# Altium PCB mib-pcb0009.PcbDoc (part 2 of 2) (continued)
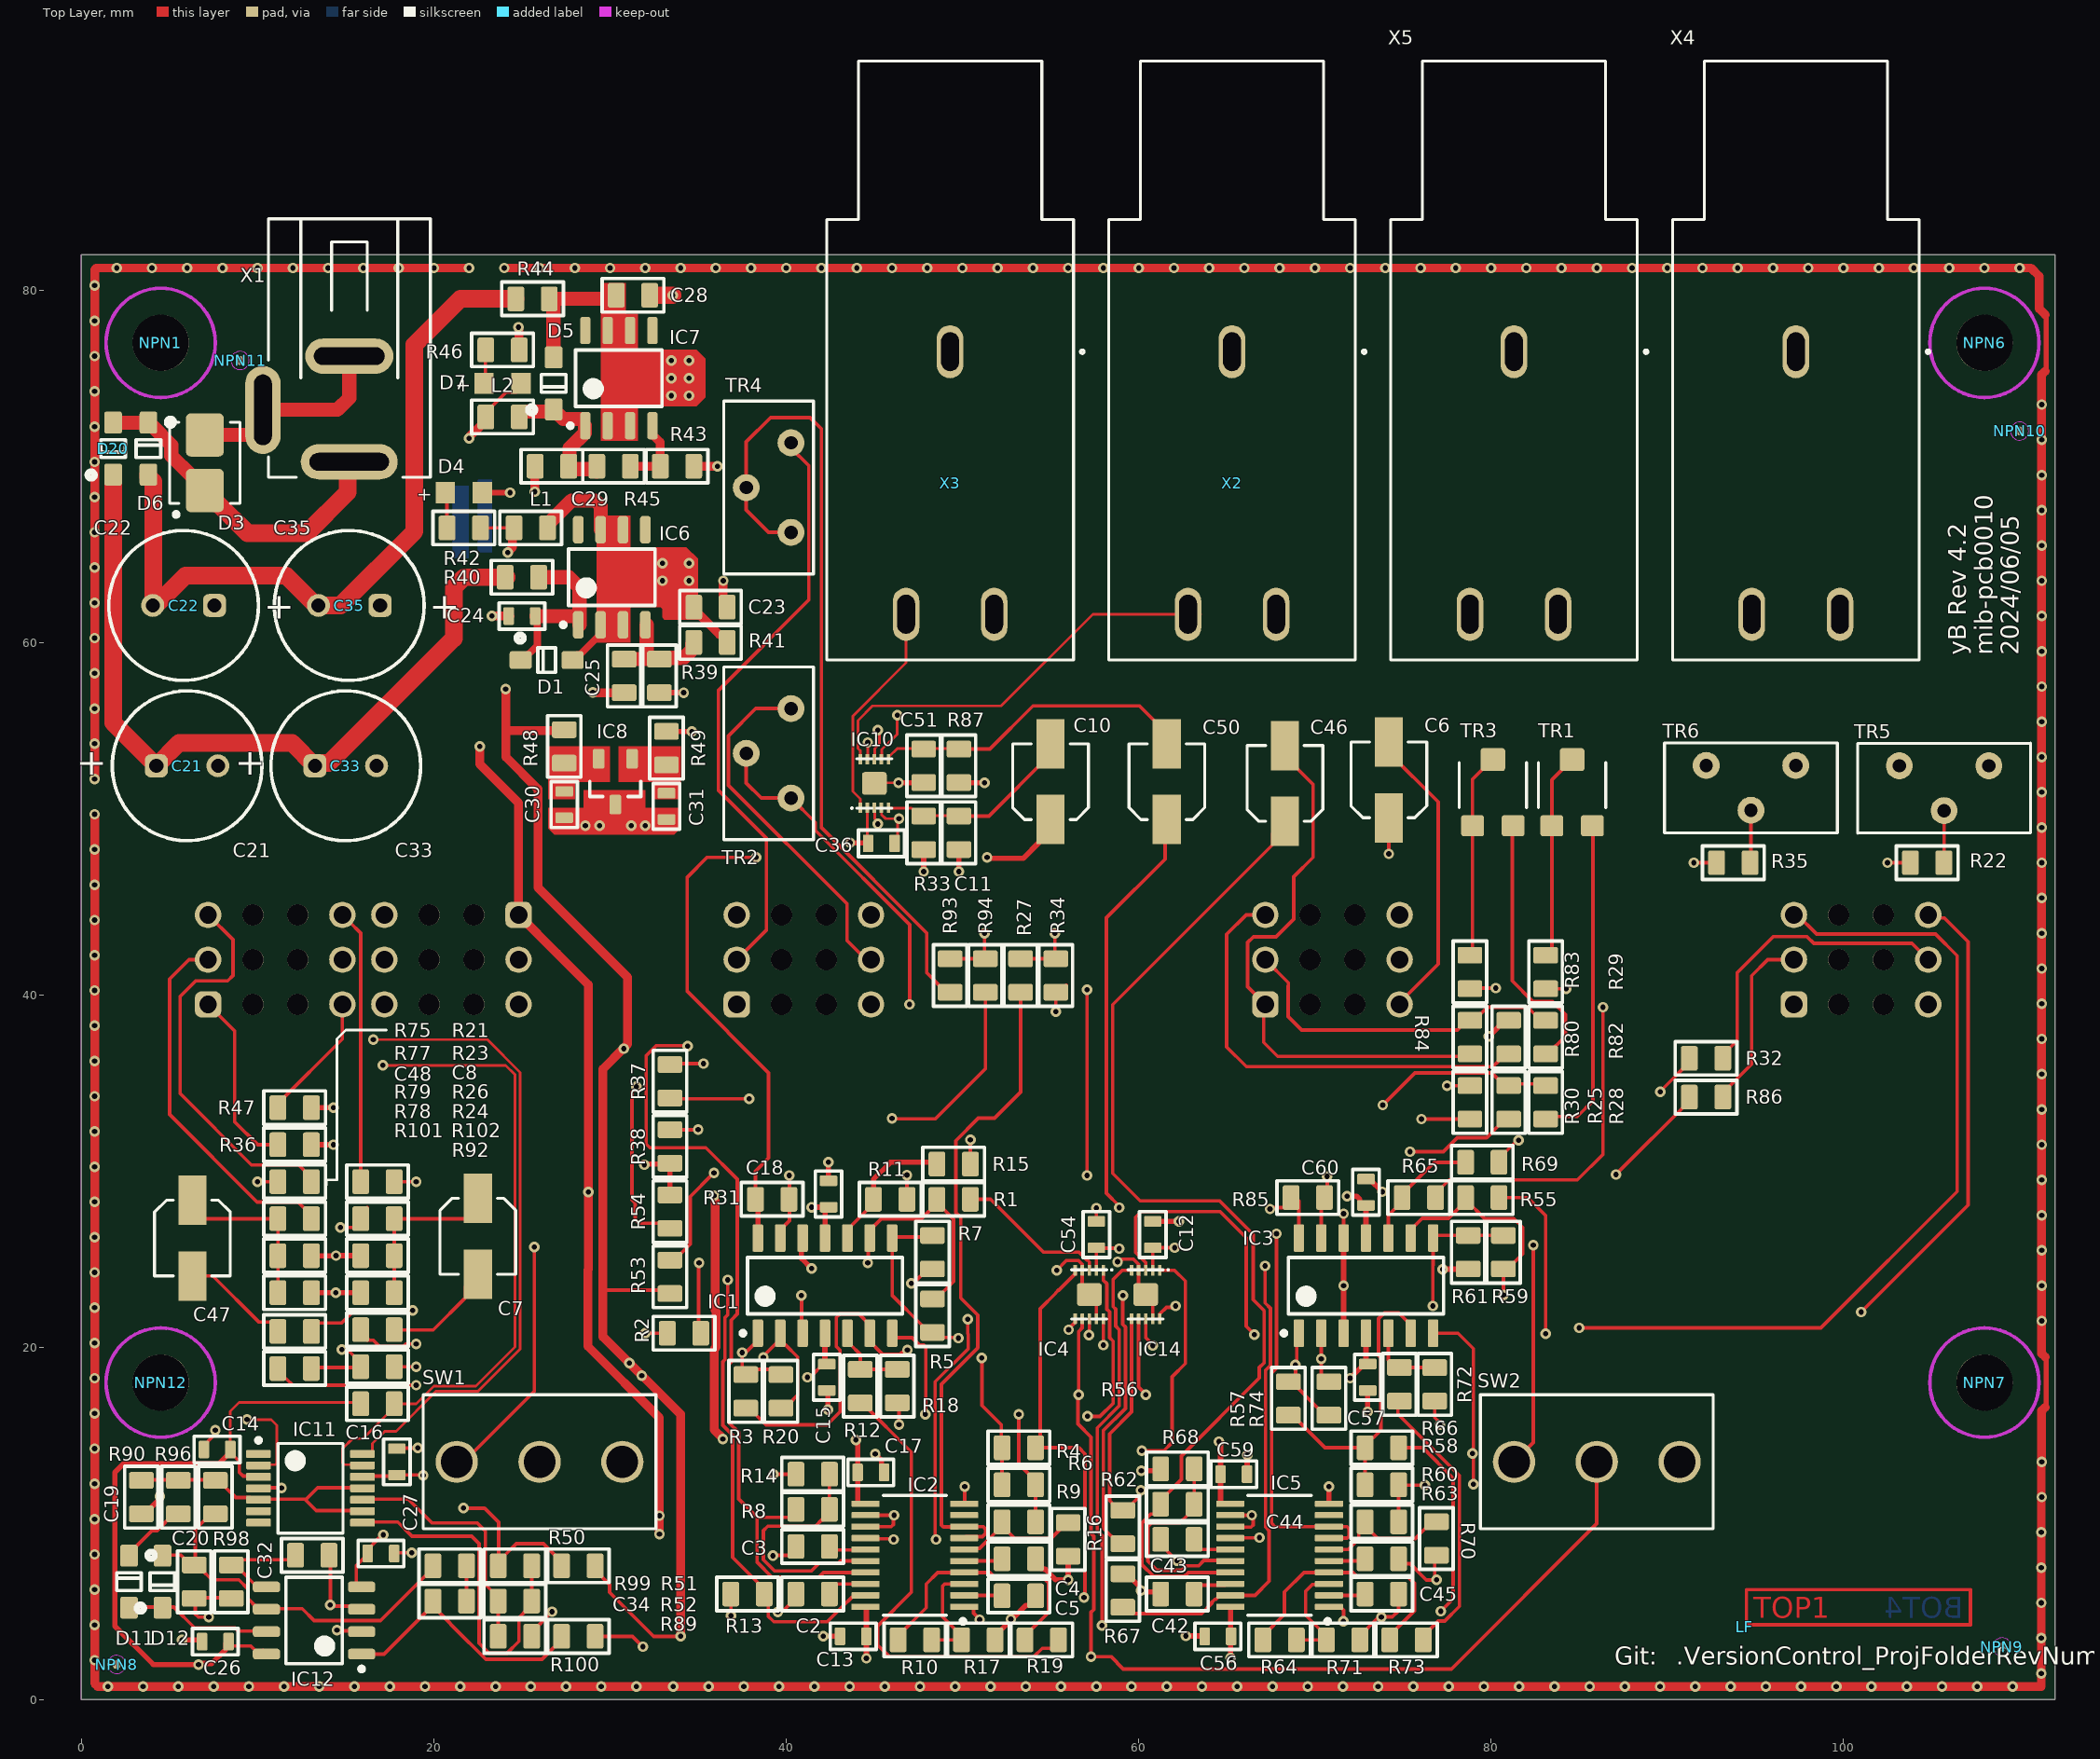
[diagram p0: Top Layer view]
## Nets (pads, with @x,y where several pads share a name; then routed paths per layer and width w, separated by ;. In a path a pad name is that pad's centre, name@x,y a point inside that pad or via, vN(x,y) a via of type N, cw(c..) or ccw(c..) an arc to the next point about the centre after c; other vN are vias at no path point) (continued)
  PWR w0.2: v1(70.7,29.7) v1@70.75,29.65
  Signal_2 w0.2: v1@70.75,29.65 70.853,29.753 87.033,29.753 v1(87.086,29.805)
NetIC4_7: IC4.7 IC14.7 SW2.2 | length 63.9
  Top Layer w0.2: IC4.7@56.8,21.625 56.8,21.103 56.6,20.903 v1(56.6,17.3) 56.55,17.25 56.55,15.65 57.3,14.9 57.3,9.435 57.45,9.285 57.45,5.118 57.3,4.968 v1(57.3,2.45) 58.428,2.45 59.128,1.75 77.75,1.75 86,10 SW2.2@86,13.5 ; IC14.7@60,21.625 60,17.749 60.4,17.349 v1(60.4,17.3)
  Signal_2 w0.2: v1(56.6,17.3) v1(60.4,17.3)
NetIC5_3: IC5.3 R64.2 R71.2 | length 6
  Top Layer w0.2: R64.2@68.9,3.3 69,3.4 R71.2@70.65,3.4 ; R71.2@70.4,3.8 70.4,3.875 69.475,4.8 69.475,6.159 69.859,6.543 70.768,6.543 IC5.3@70.8,6.575
NetIC5_6: IC5.6 R63.2 R70.2 | length 7.1
  Top Layer w0.2: IC5.6@70.8,8.525 71.9,8.525 72.487,9.112 72.487,9.587 R63.2@72.7,9.8 ; R63.2@73.125,9.6 73.575,9.15 75.7,9.15 76.275,9.725 76.29,9.725 76.665,10.1 R70.2@76.9,10.1
NetIC5_16: IC5.16 R62.2 R68.2 | length 11.9
  Top Layer w0.2: R68.2@63.2,12.6 63.15,12.55 R62.2@63.15,11.1 62.787,10.737 62.787,10.482 62.355,10.05 60.741,10.05 60.525,9.834 60.525,7.866 61.041,7.35 62.446,7.35 62.696,7.6 63.4,7.6 63.7,7.9 65.175,7.9 IC5.16@65.2,7.875
NetIC5_19: IC5.19 R61.2 R67.2 | length 39.2
  Top Layer w0.2: R67.2@59.1,5.25 59.455,4.895 63.578,4.895 64.15,5.467 64.15,5.528 64.322,5.7 64.383,5.7 64.5,5.817 64.5,5.85 64.575,5.925 66.6,5.925 67.405,6.73 67.405,9.592 67.2,9.797 67.2,18.704 67.475,18.979 67.475,22.22 67.175,22.52 v1(67.175,24.625)
  Top Layer w0.3: v1(77.25,24.425) 77.263,24.438 78.688,24.438 R61.2@78.7,24.45
  Signal_2 w0.2: v1(67.175,24.625) 69.247,24.625 69.372,24.75 76.817,24.75 77.142,24.425 v1(77.25,24.425)
NetIC7_4: IC7.4 R43.2 R45.1 | length 4.2
  Top Layer w0.5: R45.1@31.225,70 R43.2@32.875,70 ; IC7.4@32.38,72.3 32.38,71.821 32.384,71.821 32.43,71.775 32.43,71.771 32.835,71.366 32.835,70.09 R43.2@32.925,70
NetIC11_2: IC11.2 X10.2 X10.3 | length 63.6
  Top Layer w0.15: v1(9.4,15.9) 10.775,15.9 11.092,15.583 11.092,13.425 11.004,13.337 IC11.2@10.05,13.337
  Signal_2 w0.2: v1(9.4,15.9) 9.4,28.5 5.468,32.432 5.468,46.268 6.103,46.903 22.597,46.903 23.4,46.1 23.4,42.5 23.877,42.023 24.787,42.023 X10.2@24.81,42 X10.3@24.81,39.46 24.81,39.29 X10.3@24.9,39.2
NetIC11_4: IC11.4 R50.1 R51.2 | length 21.2
  Top Layer w0.2: IC11.4@10.05,12.037 10.056,12.031 11.344,12.031 v1(11.35,12.025) ; v1(21.675,10.875) 22.878,10.875 23.675,10.078 23.675,7.85 R51.2@23.675,7.65 ; R51.2@23.65,7.6 R51.2@23.65,7.85 ; 24.09,8.265 24.686,8.861 26.214,8.861 27.25,7.825 R50.1@27.25,7.6
  Signal_2 w0.2: v1(11.35,12.025) 12.5,10.875 v1(21.675,10.875)
NetIC11_8: IC11.8 R51.1 R52.2 | length 19.5
  Top Layer w0.2: IC11.8@16.15,10.087 17.955,10.087 18.755,9.287 22.149,9.287 22.575,8.861 22.575,3.216 23.141,2.65 24.159,2.65 24.825,3.316 24.825,4.65 25.325,5.15 R52.2@25.4,5.15 ; R52.2@25.55,5.6 R51.1@25.55,7.6
NetIC11_10: IC11.10 R52.1 R89.2 | length 13.8
  Top Layer w0.2: IC11.10@16.15,11.387 18.549,11.387 19.9,10.037 22.458,10.037 22.925,9.569 22.925,6.54 23.65,5.815 R52.1@23.65,5.6 R89.2@23.65,3.6
NetIC11_13: IC11.13 R92.2 X10.6 | length 41.3
  Top Layer w0.15: IC11.13@15.95,13.337 14.913,13.337 14.825,13.425 14.825,14.262 15.387,14.825 15.976,14.825 17.75,16.599 R92.2@17.75,16.8 19.001,16.8 20.001,17.8 22.376,17.8 24.6,20.024 24.6,35.476 24.076,36 v1(17.1,36)
  Signal_2 w0.2: X10.6@16.8,39.659 17.145,39.314 17.145,36.045 v1(17.1,36)
NetIC11_14: IC11.14 X10.4 X10.5 | length 44.2
  Top Layer w0.15: IC11.14@15.95,13.987 16.368,13.987 16.518,14.137 16.518,14.542 17.216,15.24 17.865,15.24 20.125,17.5 22.5,17.5 24.9,19.9 24.9,35.6 23.041,37.459 v1(16.564,37.459)
  Signal_2 w0.2: v1(16.564,37.459) 16.564,37.561 16.19,37.934 16.19,41 17.1,41.91 X10.5@17.1,42 ; X10.5@17.19,42 X10.4@17.19,44.54 17.19,44.69 X10.4@17.2,44.7
NetIC12_2: IC12.2 R100.1 R101.2 R102.2 | length 61.8
  Top Layer w0.2: R101.2@13.05,18.8 13.1,18.85 15.675,18.85 R102.2@15.7,18.825 ; v1@14.5,4 v1(14.5,3.95) 14.542,3.908 15.857,3.908 IC12.2@15.9,3.865 ; v1@14.6,3.785 14.717,3.902 IC12.2@15.7,3.902 ; v1(14.775,19.875) 14.825,19.825 15.15,19.825 15.85,19.125 R102.2@15.85,18.9 ; R100.1@29.15,3.6 31.268,3.6 v1(31.857,3.012)
  Signal_2 w0.2: v1(14.5,3.95) 16.15,2.3 31.145,2.3 v1(31.857,3.012) 32.634,3.012 33.675,4.053 33.675,10.767 33.441,11.001 24.036,11.001 23.212,11.825 19.533,11.825 14.775,16.583 v1(14.775,19.875)
NetR21_2: R21.2 X6.6 | length 15.4
  Top Layer w0.2: X6.6@15.2,44.5 15.2,44.15 15.85,43.5 R21.2@15.85,29.4
NetR22_1: R22.1 R27.1 R34.2 | length 54.1
  Top Layer w0.2: R27.1@53.3,42.05 54.95,42.05 R34.2@55.2,41.8 ; R34.2@55,42.25 55.076,42.25 55.25,42.424 v1(55.25,43.5) ; v1(102.5,47.5) R22.1@103.8,47.5
  Signal_2 w0.2: v1(55.25,43.5) 57.5,43.5 61.45,47.45 80.346,47.45 80.946,48.05 101.95,48.05 v1(102.5,47.5)
NetR22_2: R22.2 TR5.2 | length 3
  Top Layer w0.2: R22.2@105.7,47.5 105.71,47.51 TR5.2@105.71,50.46
NetR23_1: R23.1 X6.5 | length 18.1
  Top Layer w0.2: v1(14.7,26.8) 14.709,26.809 15.476,26.809 15.85,27.183 R23.1@15.85,27.3 ; R23.1@15.719,27.781 16.096,27.781 16.225,27.91 R23.1@16.225,27.925
  Signal_2 w0.2: v1(14.7,26.8) 15.75,27.85 15.75,37.628 15.81,37.688 15.81,41 X6.5@14.81,42
NetR25_1: R25.1 R28.1 X8.5 | length 18.7
  Top Layer w0.2: v1(73.85,33.75) 75.675,35.575 80.05,35.575 80.775,34.85 R25.1@81,34.85 ; R25.1@81.3,34.9 81.35,34.95 R28.1@83,34.95
  Signal_2 w0.2: v1(73.85,33.75) 73.81,33.79 73.81,41 74.8,41.99 X8.5@74.8,42.1
NetR28_2: R28.2 TR1.1 | length 18.7
  Top Layer w0.2: R28.2@83.4,33.1 84.9,33.1 85.788,33.988 TR1.1@85.788,49.899
NetR29_2: R29.2 TR1.2 TR1.3 | length 11.8
  Top Layer w0.2: R29.2@82.9,42.5 83.326,42.5 83.45,42.624 83.45,52.2 TR1.2@84.6,53.35
NetR30_2: R30.2 X8.6 | length 14.7
  Top Layer w0.2: v1@76,33 v1(76.05,32.95) R30.2@78.8,32.95
  Signal_2 w0.2: X8.6@74.9,44.3 75.05,44.3 76.05,43.3 v1(76.05,32.95)
NetR32_2: R32.2 X9.5 | length 17.5
  Top Layer w0.2: R32.2@93.15,36.4 93.15,36.615 93.524,36.988 93.549,36.988 93.973,37.412 93.973,41.273 96.011,43.311 97.924,43.311 98.312,42.923 103.887,42.923 X9.5@104.81,42
NetR34_1: R34.1 TR2.2 TR2.3 | length 29.5
  Top Layer w0.2: TR2.2@37.73,53.71 37.73,52.02 38.58,51.17 TR2.3@40.27,51.17 41.65,49.79 41.65,49.335 47,43.985 v1(47,39.46) ; v1@55.25,39 v1(55.3,39.05) R34.1@55.3,40.15 55.515,40.15 55.9,40.535 R34.1@55.9,40.55
  Signal_2 w0.2: v1(47,39.46) 54.861,39.46 55.271,39.05 v1(55.3,39.05)
NetR35_1: R35.1 R93.2 R94.1 | length 47
  Top Layer w0.2: R93.2@49.3,42.05 51.35,42.05 R94.1@51.4,42 ; R94.1@51.25,42.25 v1(51.25,43.5) ; v1(91.5,47.5) R35.1@92.8,47.5
  Signal_2 w0.2: v1(51.25,43.5) 54.472,43.5 55.022,42.95 58.455,42.95 62.193,46.688 90.688,46.688 v1(91.5,47.5)
NetR35_2: R35.2 TR6.2 | length 3
  Top Layer w0.2: R35.2@94.7,47.5 94.75,47.55 TR6.2@94.75,50.48
NetR36_2: R36.2 X6.1 | length 10.4
  Top Layer w0.2: X6.1@7.19,39.46 8.7,37.95 8.7,32.8 10,31.5 R36.2@11.15,31.5 R36.2@11.3,31.5
NetR37_1: R37.1 X7.4 | length 15.6
  Top Layer w0.2: R37.1@33.4,34.15 33.45,34.1 v1(37.9,34.1) ; R37.1@33.818,33.967 R37.1@33.999,33.787
  Signal_2 w0.2: v1(37.9,34.1) 41.9,34.1 44.81,37.01 X7.4@44.81,39.46 44.81,39.69 X7.4@44.8,39.7
NetR38_2: R38.2 X7.6 | length 20.7
  Top Layer w0.2: R38.2@33,32.35 R38.2@33.4,32.35 v1(35,32.35)
  Signal_2 w0.2: v1(35,32.35) 35,33.279 34.9,33.379 34.9,34.2 35.5,34.8 39.6,34.8 43.45,38.65 43.45,43.18 44.5,44.23 X7.6@44.5,44.6
NetR47_2: R47.2 X6.4 | length 7.2
  Top Layer w0.2: R47.2@11.15,33.6 11.15,33.827 14.81,37.487 14.81,39.11 X6.4@14.9,39.2
NetR53_1: R53.1 X7.1 | length 17.4
  Top Layer w0.2: R53.1@33.4,24.95 33.635,24.95 34.01,25.325 34.025,25.325 34.55,25.85 34.55,28.55 35.8,29.8 v1@35.9,29.8
  Signal_2 w0.2: v1(35.9,29.9) 34.35,31.45 34.35,34.25 37.031,36.931 X7.1@37.031,39.431
NetR54_2: R54.2 X7.3 | length 23
  Top Layer w0.2: v1(31.5,34.8) 31.5,34.733 31.25,34.483 31.25,28.372 31.434,28.189 31.434,27.224 31.617,27.04 R54.2@33.26,27.04
  Signal_2 w0.2: v1(31.5,34.8) 33.1,34.8 36.006,37.706 36.006,43.356 X7.3@37.3,44.65
  Bottom Layer w0.2: v1(31.5,34.8) v1@31.577,34.723
NetR75_2: R75.2 X6.3 | length 22.7
  Top Layer w0.2: X6.3@7.19,44.54 8.6,43.13 8.6,41.1 8.3,40.8 6.485,40.8 5.6,39.915 5.6,34.4 9.65,30.35 12.325,30.35 13.05,29.625 R75.2@13.05,29.4
NetR77_1: R77.1 X6.2 | length 21
  Top Layer w0.2: X6.2@7.19,42 6.1,42 5,40.9 5,33.222 9.97,28.252 12.289,28.252 12.653,27.888 12.676,27.888 13.05,27.515 R77.1@13.05,27.3
NetR80_1: R80.1 R82.1 X8.2 | length 20
  Top Layer w0.2: X8.2@67.19,42 68.5,40.69 68.5,40.5 ; 68.483,40.5 68.483,38.767 69.25,38 78.083,38 78.212,38.129 78.212,38.176 78.495,38.46 R80.1@78.71,38.46 ; R80.1@78.4,38.46 R80.1@78.71,38.46 ; R80.1@78.4,38.5 R80.1@78.4,38.725 ; R82.1@83,38.55 82.637,38.913 82.463,38.913 82.077,39.3 79.8,39.3 79.425,38.925 79.41,38.925 79.035,38.55 R80.1@78.8,38.55 R80.1@78.71,38.46
NetR82_2: R82.2 TR3.1 | length 15
  Top Layer w0.2: TR3.1@81.2,49.102 81.2,40.791 82.366,39.625 83.484,39.625 84.215,38.894 84.215,37.65 83.215,36.65 R82.2@83,36.65
NetR83_2: R83.2 TR3.2 TR3.3 | length 11.7
  Top Layer w0.2: R83.2@78.95,42.25 TR3.3@78.95,49.6 78.95,52.25 80.1,53.4 TR3.2@80.2,53.4
NetR84_1: R84.1 X8.3 | length 25.8
  Top Layer w0.2: X8.3@67.19,44.54 66.1,44.54 65,43.44 65,37.042 66.117,35.925 80.095,35.925 80.412,36.241 80.412,36.276 80.785,36.65 R84.1@81,36.65
NetR86_2: R86.2 X9.2 | length 10.3
  Top Layer w0.2: R86.2@93.15,34.2 93.15,34.43 94.788,36.068 94.788,41.09 95.697,42 X9.2@97.19,42
NetR93_1: R93.1 TR4.2 TR4.3 | length 47.4
  Top Layer w0.2: TR4.3@40.5,66.25 39,66.25 37.73,67.52 TR4.2@37.73,68.79 37.73,71.382 39.111,72.763 41.345,72.763 42,72.108 42,49.48 47.975,43.505 47.975,41.25 49.075,40.15 R93.1@49.3,40.15
NetTR2_1: TR2.1 X7.5 | length 20.4
  Top Layer w0.2: TR2.1@40.27,56.25 38.269,56.25 36.718,54.699 36.718,51.897 43.446,45.169 43.446,43.084 44.53,42 X7.5@44.81,42
NetTR4_1: TR4.1 X7.2 | length 33.7
  Top Layer w0.2: X7.2@37.19,42 38.88,43.69 38.88,48.875 36.155,51.6 36.155,57.285 41.282,62.411 41.282,70.033 40.27,71.045 TR4.1@40.27,71.33
Output_Left: C50.2 C51.2 IC10.6 R87.2 | length 17.4
  Top Layer w0.15: IC10.6@45.8,53.275 45.825,53.3 45.825,53.504 46.303,53.982 R87.2@49.8,53.982
  Top Layer w0.2: R87.2@49.8,53.95 51.55,53.95 54,56.4 60.05,56.4 61.2,55.25 C50.2@61.2,55.2
Output_Left_Con: IC10.8 X4.2 | length 55.4
  Top Layer w0.15: IC10.8@45.025,53.395 45.025,53.978 45.286,54.239 45.286,54.914 v1@45.2,55
  Signal_2 w0.2: v1@45.2,55 45.322,55 45.597,54.725 90.725,54.725 94.8,58.8 X4.2@94.8,61.083
  other v1: 45.2,55.025
Output_Right: C10.2 C11.2 IC10.5 R33.2 | length 11.3
  Top Layer w0.15: IC10.5@45.825,50.645 45.825,50.625 45.85,50.6 47.122,50.6 47.551,50.17 C11.2@49.8,50.17
  Top Layer w0.2: C11.2@49.8,50.15 51.5,50.15 54.9,53.55 C10.2@54.9,54.2
Output_Right_Con: IC10.3 X5.2 | length 45.7
  Top Layer w0.15: IC10.3@45.025,50.445 45.025,49.997 45.2,49.822 v1(45.2,49.7)
  Signal_2 w0.2: v1(45.2,49.7) 43.775,51.125 43.775,54.65 44.7,55.575 45.61,55.575 45.985,55.2 75.25,55.2 78.8,58.75 X5.2@78.8,61.037
pads on no net: IC2.9 IC5.9 IC6.5 IC6.8 IC7.5 IC7.8 IC11.1 IC11.6 IC11.7 NPN1.8 NPN2.0 NPN3.0 NPN4.0 NPN5.0 NPN6.8 NPN7.8 NPN8.0 NPN9.0 NPN10.0 NPN11.0 NPN12.8 X2.3 X3.3 X4.3 X5.3 X6.MH1 X6.MH2 X6.MH3 X6.MH4 X6.MH5 X6.MH6 X7.MH1 X7.MH2 X7.MH3 X7.MH4 X7.MH5 X7.MH6 X8.MH1 X8.MH2 X8.MH3 X8.MH4 X8.MH5 X8.MH6 X9.MH1 X9.MH2 X9.MH3 X9.MH4 X9.MH5 X9.MH6 X10.MH1 X10.MH2 X10.MH3 X10.MH4 X10.MH5 X10.MH6

## Polygon pours and split planes (outlines as drawn)
GND on Bottom Layer "GND_L04_P009" (solid, remove dead copper, pour order 9): 0,82 112,82 112,0 0,0 0,82
GND_IN on Bottom Layer "GND_IN_L04_P007" (solid, remove dead copper, pour order 7): 0,82 0,51 22,51 22,82
-9V3 on PWR "Signal_1--9V3 1" (solid, pour order 17): 0,7.5 112,7.5 112,15 22,15 21.5,15.5 21.5,36.83 22.17,37.5 25.5,37.5 26.5,38.5 26.5,82 0,82 0,14
-9V3 on PWR "Signal_1-No Net" (solid, pour order 21): 28.5,27.5 108,27.5 109,28.5 109,54 108.5,54.5 106.5,54.5 106,54 106,52 105.222,51.222 99.778,51.222 99,52 99,54 98.5,54.5 95.5,54.5 95,54 95,52 94.5,51.5 90.5,51.5 90,52 90,82 47,82 47,31.5 46.5,31 28.5,31 28,30.5 28,28
9V3 on PWR "PWR-9V3" (solid, pour order 26): 22.55,15.45 112,15.45 112,82 90.5,82 90.5,52.5 91,52 94,52 94.512,52.512 94.512,54.512 95,55 99,55 99.5,54.5 99.5,53 100.387,52.113 104.613,52.113 105.472,52.972 105.472,54.472 106,55 109,55 109.5,54.5 109.5,23.5 108.5,22.5 22.5,22.5 21.981,21.981 21.981,16.019
9V3 on PWR "NONET_L01_P-001" (solid, pour order 14): 0,7 112,7 112,0 0,0
5V0 on PWR "NONET_L01_P-001" (solid, pour order 15): 108,23 22.5,23 22,23.5 22,36.23 22.77,37 26,37 27,38 27,82 46.4,82 46.4,31.9 46,31.5 28,31.5 27.5,31 27.5,27.5 28,27 108,27 109,26 109,24
NetC23_2 on PWR "NETC23_2_L02_P010" (solid, pour order 10): 32,65.5 32,62.5 35.5,62.5 35.5,65.5
NetC28_2 on PWR "NETC28_2_L02_P008" (solid, pour order 8): 32,77 32,73 36,73 36,77

## Keep-outs
Top Layer:
  circle w0.2: c108,18 r3.1
  circle w0.2: c4.5,18 r3.1
  circle w0.2: c4.5,77 r3.1
  circle w0.2: c108,77 r3.1
Bottom Layer:
  circle w0.2: c108,77 r3.1
  circle w0.2: c4.5,18 r3.1
  circle w0.2: c108,18 r3.5
  circle w0.2: c4.5,77 r3.1
Keep-Out Layer:
  the board outline again, w0.05

## Other copper
Top Layer:
  region net NetC28_2: 29.575,73.4 34.9,73.4 35.4,73.9 35.4,76.1 34.9,76.6 29.575,76.6
  region net NetC30_2: 26.5,54.1 30,54.1 30,52.1 28,52.1 28,51.1 26.5,51.1
  region net GND: 26.5,50.6 28.5,50.6 28.5,51.6 32,51.6 32,50.6 34,50.6 34,49.466 33.634,49.1 26.852,49.1 26.5,49.452
  region net NetC31_2: 30.5,54.1 30.5,52.1 32.5,52.1 32.5,51.1 34,51.1 34,54.1
  region net NetC23_2: 29.244,67.2 29.244,60 31.144,60 31.144,67.2
  region net NetC23_2: 29.475,65.4 34.325,65.4 34.975,64.75 34.975,61.3 33.094,61.3 32.975,61.419 32.975,61.9 32.875,62 29.475,62
  region net NetC28_2: 31.581,71.45 31.581,78.65 30.881,78.65 30.881,80.4 29.481,80.4 29.481,71.45
  text ".Layer_Name" at 160.75,81.35 h1.2
  text ".Layer_Name" at 203.55,79.35 h1.2
PWR:
  text ".Layer_Name" at 160.55,79.35 h1.2
  text ".Layer_Name" at 203.55,79.35 h1.2
Signal_2:
  text ".Layer_Name" at 160.55,79.35 h1.2
  text ".Layer_Name" at 203.55,79.35 h1.2
Bottom Layer:
  region net GND: 22.5,65.125 23.3,65.125 23.3,69.225 22.5,69.225 22.5,68.625
  region net GND_IN: 21.975,68.875 21.975,64.775 21.075,64.775 21.075,68.875 21.275,68.875
  text ".Layer_Name" at 160.75,81.35 h1.2
  text ".Layer_Name" at 203.55,79.35 h1.2

## Silkscreen, mask and mechanical layers (free items; w line width, h text height)
Top Overlay:
  lines w0.15: 13.9,29.2 13.9,29.5 14.5,29.5 14.5,37.5 15,38 17.3,38
  text ".Layer_Name" at 160.55,77.35 h1.2
  text ".Layer_Name" at 203.55,77.35 h1.2
  text "Variant:" at 212.5,76.5 h1.2
  text "yB Rev 4.2" at 106.95,59.275 h1 r90
  text "mib-pcb0010" at 108.45,59.275 h1 r90
  text "2024/06/05" at 109.95,59.275 h1 r90
  text "Git:" at 87,2 h1
  text ".VersionControl_ProjFolderRevNumberShort" at 90.5,2 h1
Bottom Overlay:
  text ".Layer_Name" at 160.55,77.35 h1.2
  text ".Layer_Name" at 203.55,77.35 h1.2
  text "Variant:" at 212.5,76.5 h1.2
Top Paste:
  text ".Layer_Name" at 160.55,75.35 h1.2
  text ".Layer_Name" at 203.55,75.35 h1.2
Bottom Paste:
  text ".Layer_Name" at 160.55,71.4 h1.2
  text ".Layer_Name" at 203.55,71.4 h1.2
Top Solder:
  text ".Layer_Name" at 160.55,73.35 h1.2
  text ".Layer_Name" at 203.55,73.35 h1.2
Bottom Solder:
  text ".Layer_Name" at 160.55,69.4 h1.2
  text ".Layer_Name" at 203.55,69.4 h1.2
Mechanical 1:
  the board outline again, w0.05
  text ".Layer_Name" at 160.55,67.35 h1.2
  text ".Layer_Name" at 203.55,67.35 h1.2
Housing:
  circle w0.1: c108,77 r1.6
  circle w0.1: c4.5,18 r1.6
  circle w0.1: c4.5,77 r1.6
  circle w0.1: c5.813,22.3 r0.316
  circle w0.1: c108,18 r1.6
  circle w0.1: c109.313,22.3 r0.316
  circle w0.1: c5.813,81.3 r0.316
  circle w0.1: c109.313,81.3 r0.316
  circle w0.1: c-26.3,60.75 r1.5
  circle w0.1: c-26.3,17.75 r1.5
  circle w0.1: c134.3,17.75 r1.5
  circle w0.1: c134.3,60.75 r1.5
  circle w0.1: c16.563,110.4 r0.316
  circle w0.25: c15.25,106.1 r3.215
  circle w0.1: c100.31,112.4 r0.316
  circle w0.1: c84.31,112.4 r0.316
  circle w0.1: c67.7,112.4 r0.316
  circle w0.1: c54,112.4 r0.316
  circle w0.25: c49.3,106.1 r6.1
  circle w0.25: c65.3,106.1 r6.1
  circle w0.25: c81.3,106.1 r6.1
  circle w0.25: c97.3,106.1 r6.1
  lines w0.15: -40.8,17.75 -26.3,17.75 -11.8,17.75 ; -40.8,60.75 -26.3,60.75 -11.8,60.75 ; -27.3,17.8 -25.3,17.8 ; -27.3,60.75 -25.3,60.75 ; -26.3,-9.5 -26.3,89.4 ; -26.3,16.8 -26.3,18.8 ; -26.3,59.7 -26.3,61.7 ; -16.7,106.1 118.9,106.1 ; 0.5,18 4.5,18 ; 0.5,77 4.5,77 ; 4.5,14 4.5,18 ; 4.5,22 4.5,18 ; 4.5,73 4.5,77 ; 4.5,81 4.5,77 ; 5.413,21.9 6.213,22.7 ; 5.413,80.9 6.213,81.7 ; 8.5,18 4.5,18 ; 8.5,77 4.5,77 ; 15.25,66.25 15.25,116.25 ; 16.163,110 16.963,110.8 ; 53.6,112 54.4,112.8 ; 67.3,112 68.1,112.8 ; 83.91,112 84.71,112.8 ; 99.91,112 100.71,112.8 ; 104,18 108,18 ; 104,77 108,77 ; 108,14 108,18 ; 108,22 108,18 ; 108,73 108,77 ; 108,81 108,77 ; 108.913,21.9 109.713,22.7 ; 108.913,80.9 109.713,81.7 ; 112,18 108,18 ; 112,77 108,77 ; 117.5,-47.6 117.5,-43.261 ; 117.5,88 117.5,92.339 ; 119.8,17.75 134.3,17.75 148.8,17.75 ; 119.8,60.75 134.3,60.75 148.8,60.75 ; 133.3,17.75 135.3,17.75 ; 133.3,60.75 135.3,60.75 ; 134.3,-9.5 134.3,89.4 ; 134.3,16.8 134.3,18.8 ; 134.3,59.75 134.3,61.75
  lines w0.2: 65.3,72.5 65.3,114.587 ; 81.3,72.5 81.3,114.597 ; 97.3,72.5 97.3,114.597
  lines w0.25: 147.6,-5 147.6,87.5 ; 147.6,85.5 121,85.5 121,-7 ; -39.6,-7 -13,-7 ; -39.6,-7 -13,-7 ; -39.6,-7 -39.6,85.5 -13,85.5 -13,-7 ; 121,-7 147.6,-7 121,-7 ; -5,-47.6 -5,-21 117.5,-21 117.5,-47.6 0,-47.6 -5,-47.6 ; -5,-7 -5,85.5 117.5,85.5 117.5,-7 -5,-7 ; -5,88 0,88 117.5,88 117.5,114.6 -5,114.6 -5,88
  text "12,2" at 55.15,112.017 h1.1
  text "12,2" at 69.85,112.017 h1.1
  text "12,2" at 85.46,112.017 h1.1
  text "12,2" at 101.46,112.017 h1.1
  text "6,5" at 17.713,110.017 h1.1
  text "Alle Angaben in mm" at 17.504,96.012 h1.52
  text "3,2" at 6.963,80.917 h1.1
  text "3,2" at 110.463,80.917 h1.1
  text "M3" at 136.55,63.1 h1.1
  text "M3" at -24.25,62.85 h1.1
  text "3,2" at 6.963,21.917 h1.1
  text "3,2" at 110.463,21.917 h1.1
  text "M3" at 136.55,20.1 h1.1
  text "M3" at -24.25,19.95 h1.1
Top Courtyard (Mech15):
  lines w0.15: 54.187,116.587 54.2,116.6
Drill Drawing:
  drawing of 178 lines, arcs and shapes, not listed
  text "PCB File:" at 212.5,80.5 h1.2
  text ".Pcb_File_Name_No_Path" at 226,80.5 h1.2
  text "Print Date:" at 212.5,78.5 h1.2
  text ".Print_Date" at 226,78.5 h1.2
  text "Variant:" at 212.5,76.5 h1.2
  text ".VariantName" at 226,76.5 h1.2
  text "Symbol" at 161.228,58.943 h1.12
  text "Count" at 169.421,58.943 h1.12
  text "Hole Size" at 178.959,58.943 h1.12
  text "Plated" at 197.372,58.943 h1.12
  text "Hole Type" at 205.565,58.943 h1.12
  text "Via/Pad" at 217.308,58.943 h1.12
  text "Pad Shape" at 226.809,58.943 h1.12
  text "Template" at 243.976,58.943 h1.12
  text "Hole Length" at 263.946,58.943 h1.12
  text "Routed Path Length" at 282.359,58.943 h1.12
  text "387" at 169.421,56.607 h0.93
  text "0,300mm (11,81mil)" at 178.959,56.607 h0.93
  text "PTH" at 197.372,56.607 h0.93
  text "Round" at 205.565,56.607 h0.93
  text "Via" at 217.308,56.607 h0.93
  text "Rounded" at 226.809,56.607 h0.93
  text "v60h30m40" at 243.976,56.607 h0.93
  text "-" at 263.946,56.607 h0.93
  text "-" at 282.359,56.607 h0.93
  text "12" at 169.421,54.271 h0.93
  text "0,762mm (30,00mil)" at 178.959,54.271 h0.93
  text "PTH" at 197.372,54.271 h0.93
  text "Round" at 205.565,54.271 h0.93
  text "Pad" at 217.308,54.271 h0.93
  text "Rounded" at 226.809,54.271 h0.93
  text "c152h76" at 243.976,54.271 h0.93
  text "-" at 263.946,54.271 h0.93
  text "-" at 282.359,54.271 h0.93
  text "8" at 169.421,51.935 h0.93
  text "0,800mm (31,50mil)" at 178.959,51.935 h0.93
  text "PTH" at 197.372,51.935 h0.93
  text "Round" at 205.565,51.935 h0.93
  text "Pad" at 217.308,51.935 h0.93
  text "(Mixed)" at 226.809,51.935 h0.93
  text "(Mixed)" at 243.976,51.935 h0.93
  text "-" at 263.946,51.935 h0.93
  text "-" at 282.359,51.935 h0.93
  text "30" at 169.421,49.598 h0.93
  text "1,000mm (39,37mil)" at 178.959,49.598 h0.93
  text "PTH" at 197.372,49.598 h0.93
  text "Round" at 205.565,49.598 h0.93
  text "Pad" at 217.308,49.598 h0.93
  text "(Mixed)" at 226.809,49.598 h0.93
  text "(Mixed)" at 243.976,49.598 h0.93
  text "-" at 263.946,49.598 h0.93
  text "-" at 282.359,49.598 h0.93
  text "12" at 169.421,47.262 h0.93
  text "1,000mm (39,37mil)" at 178.959,47.262 h0.93
  text "PTH" at 197.372,47.262 h0.93
  text "Slot" at 205.565,47.262 h0.93
  text "Pad" at 217.308,47.262 h0.93
  text "Rounded" at 226.809,47.262 h0.93
  text "r302_151h100_220r75" at 243.976,47.262 h0.93
  text "2,200mm (86,61mil)" at 263.946,47.262 h0.93
  text "1,200mm (47,24mil)" at 282.359,47.262 h0.93
  text "2" at 169.421,44.926 h0.93
  text "1,000mm (39,37mil)" at 178.959,44.926 h0.93
  text "PTH" at 197.372,44.926 h0.93
  text "Slot" at 205.565,44.926 h0.93
  text "Pad" at 217.308,44.926 h0.93
  text "Rounded Rectangle" at 226.809,44.926 h0.93
  text "r500_200h100_400r100" at 243.976,44.926 h0.93
  text "4,000mm (157,48mil)" at 263.946,44.926 h0.93
  text "3,000mm (118,11mil)" at 282.359,44.926 h0.93
  text "1" at 169.421,42.59 h0.93
  text "1,000mm (39,37mil)" at 178.959,42.59 h0.93
  text "PTH" at 197.372,42.59 h0.93
  text "Slot" at 205.565,42.59 h0.93
  text "Pad" at 217.308,42.59 h0.93
  text "Rounded Rectangle" at 226.809,42.59 h0.93
  text "r550_200h100_450r100" at 243.976,42.59 h0.93
  text "4,500mm (177,17mil)" at 263.946,42.59 h0.93
  text "3,500mm (137,79mil)" at 282.359,42.59 h0.93
  text "30" at 169.421,40.254 h0.93
  text "1,200mm (47,24mil)" at 178.959,40.254 h0.93
  text "NPTH" at 197.372,40.254 h0.93
  text "Round" at 205.565,40.254 h0.93
  text "Pad" at 217.308,40.254 h0.93
  text "Rounded" at 226.809,40.254 h0.93
  text "c120hn120" at 243.976,40.254 h0.93
  text "-" at 263.946,40.254 h0.93
  text "-" at 282.359,40.254 h0.93
  text "6" at 169.421,37.918 h0.93
  text "1,800mm (70,87mil)" at 178.959,37.918 h0.93
  text "PTH" at 197.372,37.918 h0.93
  text "Round" at 205.565,37.918 h0.93
  text "Pad" at 217.308,37.918 h0.93
  text "Rounded" at 226.809,37.918 h0.93
  text "c240h180" at 243.976,37.918 h0.93
  text "-" at 263.946,37.918 h0.93
  text "-" at 282.359,37.918 h0.93
  text "4" at 169.421,35.582 h0.93
  text "3,200mm (125,98mil)" at 178.959,35.582 h0.93
  text "NPTH" at 197.372,35.582 h0.93
  text "Round" at 205.565,35.582 h0.93
  text "Pad" at 217.308,35.582 h0.93
  text "Rounded" at 226.809,35.582 h0.93
  text "c320hn320" at 243.976,35.582 h0.93
  text "-" at 263.946,35.582 h0.93
  text "-" at 282.359,35.582 h0.93
  text "492 Total" at 169.421,33.246 h0.93
  text "Slot definitions :" at 161.228,30.791 h0.93
  text "Routed Path Length" at 177.586,30.791 h0.93
  text "= Calculated from tool start centre position to tool end centre position." at 195.035,30.791 h0.93
  text "Hole Length" at 177.586,29.038 h0.93
  text "= Routed Path Length + Tool Size = Slot length as defined in the PCB layout" at 188.651,29.038 h0.93
  text "Layer" at 162.751,24.101 h1.52
  text "Name" at 173.162,24.101 h1.52
  text "Material" at 196.778,24.101 h1.52
  text "Thickness" at 218.616,24.101 h1.52
  text "Constant" at 235.122,24.101 h1.52
  text "Top Overlay" at 173.162,21.053 h1.52
  text "Top Solder" at 173.162,18.005 h1.52
  text "Solder Resist" at 196.778,18.005 h1.52
  text "0,025mm" at 218.616,18.005 h1.52
  text "3.5" at 235.122,18.005 h1.52
  text "1" at 162.751,14.957 h1.52
  text "Top Layer" at 173.162,14.957 h1.52
  text "0,035mm" at 218.616,14.957 h1.52
  text "Dielectric 2" at 173.162,11.909 h1.52
  text "PP-006" at 196.778,11.909 h1.52
  text "0,200mm" at 218.616,11.909 h1.52
  text "4.1" at 235.122,11.909 h1.52
  text "2" at 162.751,8.861 h1.52
  text "PWR" at 173.162,8.861 h1.52
  text "CF-004" at 196.778,8.861 h1.52
  text "0,018mm" at 218.616,8.861 h1.52
  text "Dielectric 1" at 173.162,5.813 h1.52
  text "FR-4" at 196.778,5.813 h1.52
  text "1,065mm" at 218.616,5.813 h1.52
  text "4.6" at 235.122,5.813 h1.52
  text "3" at 162.751,2.765 h1.52
  text "Signal_2" at 173.162,2.765 h1.52
  text "CF-004" at 196.778,2.765 h1.52
  text "0,018mm" at 218.616,2.765 h1.52
  text "Dielectric 3" at 173.162,-0.283 h1.52
  text "PP-006" at 196.778,-0.283 h1.52
  text "0,200mm" at 218.616,-0.283 h1.52
  text "4.1" at 235.122,-0.283 h1.52
  text "4" at 162.751,-3.331 h1.52
  text "Bottom Layer" at 173.162,-3.331 h1.52
  text "0,035mm" at 218.616,-3.331 h1.52
  text "Bottom Solder" at 173.162,-6.379 h1.52
  text "Solder Resist" at 196.778,-6.379 h1.52
  text "0,025mm" at 218.616,-6.379 h1.52
  text "3.5" at 235.122,-6.379 h1.52
  text "Bottom Overlay" at 173.162,-9.427 h1.52

## Dimensions
147.6,60.75 to 134.3,85.5 on Housing
147.6,-7 to 134.3,17.75 on Housing
-39.6,-7 to -40.8,17.75 on Housing
-39.6,85.5 to -40.8,60.75 on Housing
-5,-7 to 117.5,-7 on Housing
108,18 to 117.5,-7 on Housing
-5,-7 to 4.5,18 on Housing
-39.6,85.5 to -26.3,89.4 on Housing
-26.3,89.4 to -13,85.5 on Housing
134.3,89.4 to 147.6,86 on Housing
121,85.5 to 134.3,89.4 on Housing
117.5,88 to 118.9,106.1 on Housing
108,77 to 108,18 on Housing
4.5,18 to -5,-7 on Housing
4.5,77 to 4.5,18 on Housing
108,18 to 117.5,-7 on Housing
65.3,114.587 to 37.275,114.587 on Housing
81.3,114.597 to 65.3,114.587 on Housing
97.3,114.597 to 81.3,114.597 on Housing
117.5,114.6 to 97.3,114.597 on Housing
-5,114.6 to 15.25,116.25 on Housing
-5,-7 to -5,85.5 on Housing
-5,88 to -5,114.6 on Housing
121,-7 to 147.6,-5 on Housing
-39.6,-7 to -13,-7 on Housing
-5,-47.6 to -5,-21 on Housing

## Text inside footprints (layer, text, board x,y; h text height)
C21: Top Overlay "+" at 1.45,53.75 h1.5 r180
C22: Top Overlay "+" at 10.35,61.35 h1.5
C33: Top Overlay "+" at 10.45,53.75 h1.5 r180
C35: Top Overlay "+" at 19.75,61.35 h1.5
D4: Top Overlay "+" at 19.15,68.8 h0.76 r270
D7: Top Overlay "+" at 21.35,75 h0.76 r270
LF: Top Layer "TOP1" at 94.9,4.65 h1.2; Signal_2 "3" at 100.9,4.65 h1.2; PWR "2" at 99.4,4.65 h1.2; Bottom Layer "BOT4" at 106.8,4.65 h1.2
NT1: Mechanical 32 "1" at 22.4,67.544 h0.61; Mechanical 32 "2" at 21.9,67.544 h0.61
X6: Bottom Overlay "6" at 14.4,45.67 h1.02 r270; Bottom Overlay "5" at 6.7,45.67 h1.02 r270; Bottom Overlay "1" at 6.7,37.83 h1.02 r270; Bottom Overlay "2" at 14.4,37.63 h1.02 r270
X7: Bottom Overlay "6" at 44.4,45.67 h1.02 r270; Bottom Overlay "5" at 36.7,45.67 h1.02 r270; Bottom Overlay "1" at 36.7,37.83 h1.02 r270; Bottom Overlay "2" at 44.4,37.63 h1.02 r270
X8: Bottom Overlay "6" at 74.4,45.67 h1.02 r270; Bottom Overlay "5" at 66.7,45.67 h1.02 r270; Bottom Overlay "1" at 66.7,37.83 h1.02 r270; Bottom Overlay "2" at 74.4,37.63 h1.02 r270
X9: Bottom Overlay "6" at 104.4,45.67 h1.02 r270; Bottom Overlay "5" at 96.7,45.67 h1.02 r270; Bottom Overlay "1" at 96.7,37.83 h1.02 r270; Bottom Overlay "2" at 104.4,37.63 h1.02 r270
X10: Bottom Overlay "6" at 17.6,38.33 h1.02 r90; Bottom Overlay "5" at 25.3,38.33 h1.02 r90; Bottom Overlay "1" at 25.3,46.17 h1.02 r90; Bottom Overlay "2" at 17.6,46.37 h1.02 r90